# Altium PCB BreakOutBoard_Cyclone.PcbDoc (part 7 of 7)
Units mm, origin at the board's own origin, x right, y up, seen from the top; angles counter-clockwise.
Board outline 360 x 235.6 mm, 2 copper layers (Top Layer, Bottom Layer); 147 components, 203 nets, 2829 pads, 104 vias.
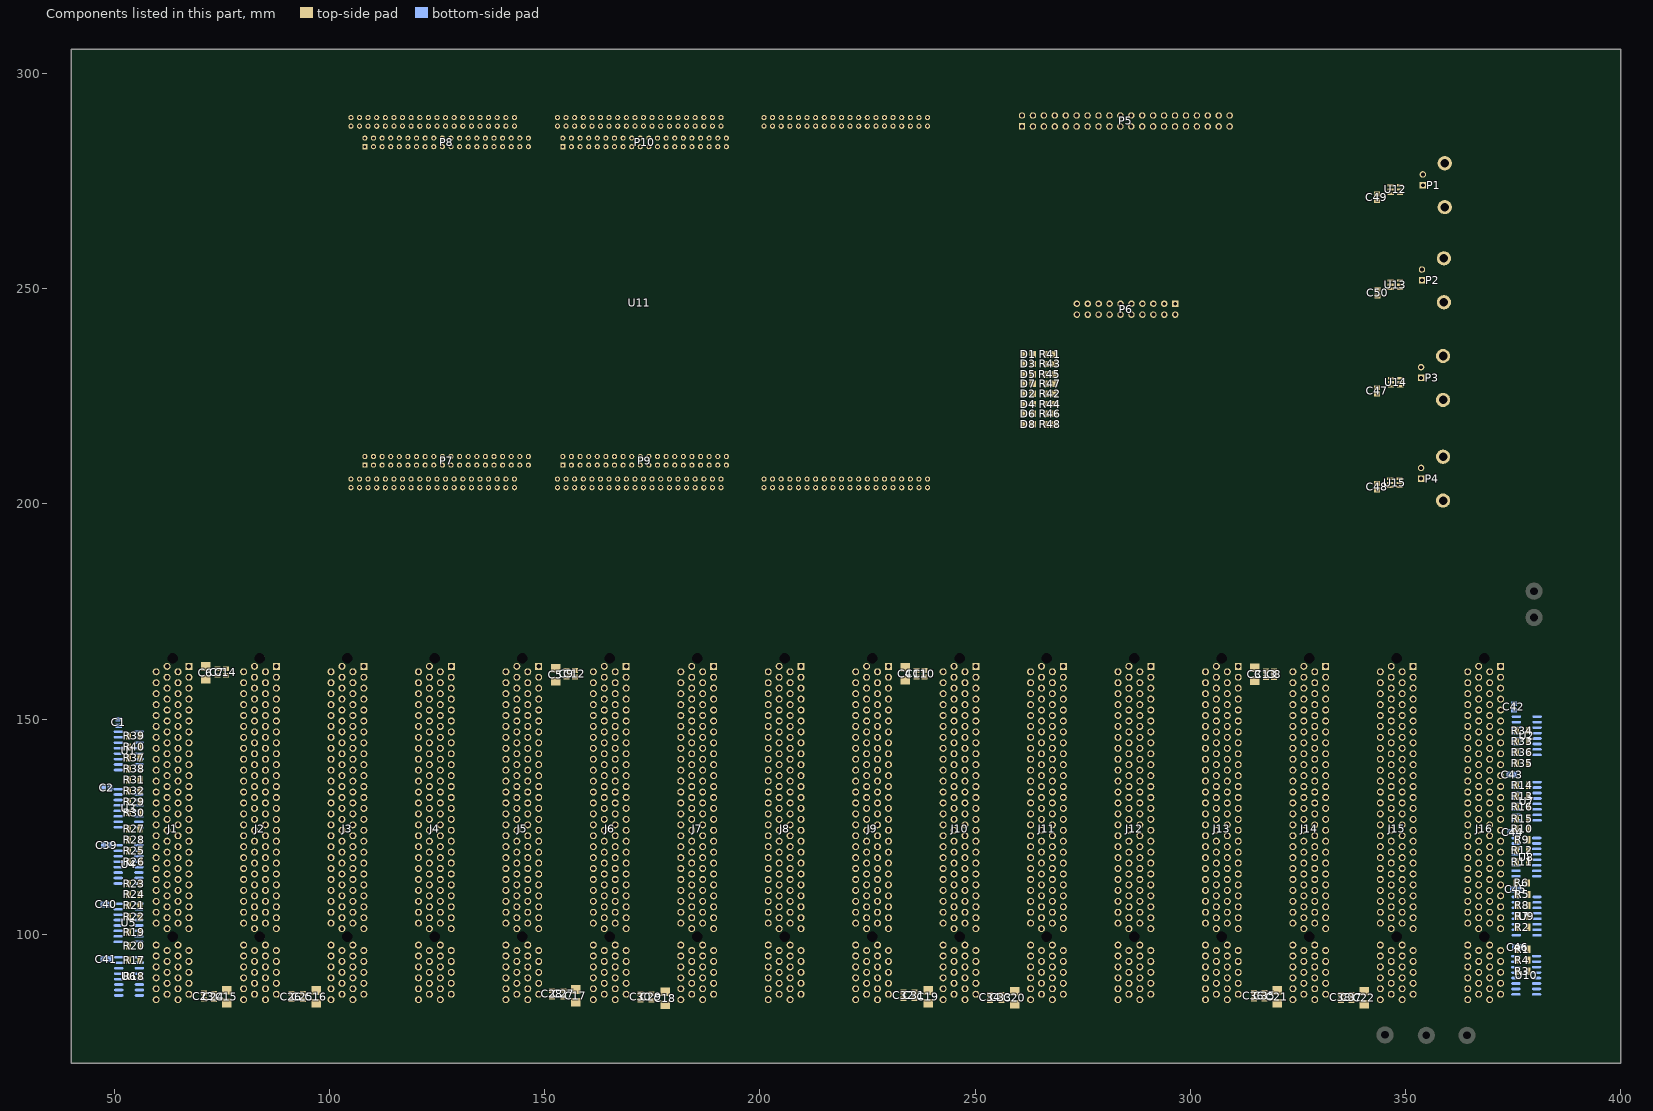
[diagram p7: the components of this part, seen from the top]

## Via types
v1: diameter 0.6, hole 0.3, Top Layer to Bottom Layer, 53 vias
v2: diameter 1.27, hole 0.711, Top Layer to Bottom Layer, 36 vias
v3: diameter 5.5, hole 4.5, Top Layer to Bottom Layer, 15 vias

## Nets (pads, with @x,y where several pads share a name; then routed paths per layer and width w, separated by ;. In a path a pad name is that pad's centre, name@x,y a point inside that pad or via, vN(x,y) a via of type N, cw(c..) or ccw(c..) an arc to the next point about the centre after c; other vN are vias at no path point) (continued)
pads on no net: J1.121 J1.122 J2.121 J2.122 J3.121 J3.122 J4.121 J4.122 J5.121 J5.122 J6.121 J6.122 J7.121 J7.122 J8.121 J8.122 J9.121 J9.122 J10.121 J10.122 J11.121 J11.122 J12.121 J12.122 J13.121 J13.122 J14.121 J14.122 J15.121 J15.122 J16.121 J16.122 P5.38 P5.39 P7.3 P7.5 P7.7 P7.8 P7.9 P7.10 P7.11 P7.12 P7.21 P7.22 P7.23 P7.24 P7.35 P7.37 P7.38 P7.39 P7.40 P8.1 P8.3 P8.4 P8.5 P8.6 P8.7 P8.8 P8.9 P8.10 P8.11 P8.12 P8.13 P8.15 P8.16 P8.17 P8.18 P8.36 P8.39 P8.40 P9.15 P9.27 P9.28 P9.29 P9.30 P9.31 P9.33 P9.35 P9.39 P10.16 P10.37 P10.39 U11.1A3 U11.1A4 U11.1A5 U11.1A6 U11.1A7 U11.1A8 U11.1A9 U11.1A10 U11.1A12 U11.1A13 U11.1A14 U11.1A15 U11.1A16 U11.1A17 U11.1A18 U11.1A19 U11.1A21 U11.1A22 U11.1A24 U11.1A25 U11.1A26 U11.1A27 U11.1A36 U11.1A38 U11.1A39 U11.1A40 U11.1B1 U11.1B32 U11.1B33 U11.1B34 U11.1B35 U11.1B36 U11.1B37 U11.1B38 U11.1B40 U11.1C3 U11.1C12 U11.1C13 U11.1C14 U11.1C15 U11.1C17 U11.1C19 U11.1C21 U11.1C22 U11.1C23 U11.1C24 U11.1C25 U11.1C26 U11.1C27 U11.1C28 U11.1C29 U11.1C30 U11.1C31 U11.1C32 U11.1C33 U11.1C34 U11.1C35 U11.1C36 U11.1C37 U11.1C38 U11.1C40 U11.2A1 U11.2A3 U11.2A4 U11.2A5 U11.2A6 U11.2A7 U11.2A8 U11.2A9 U11.2A10 U11.2A11 U11.2A12 U11.2A13 U11.2A14 U11.2A15 U11.2A16 U11.2A17 U11.2A18 U11.2A19 U11.2A20 U11.2A21 U11.2A22 U11.2A23 U11.2A24 U11.2A25 U11.2A26 U11.2A27 U11.2A28 U11.2A29 U11.2A30 U11.2A31 U11.2A32 U11.2A33 U11.2A34 U11.2A35 U11.2A36 U11.2A37 U11.2A38 U11.2A40 U11.2B1 U11.2B40 U11.2C1 U11.2C21 U11.2C22 U11.2C23 U11.2C24 U11.2C25 U11.2C26 U11.2C27 U11.2C28 U11.2C29 U11.2C30 U11.2C31 U11.2C32 U11.2C33 U11.2C34 U11.2C35 U11.2C36 U11.2C37 U11.2C38 U11.2C40
copper on no net:
  other v1: 375.3,156.7

## Polygon pours and split planes (outlines as drawn)
5V_ANA_BUS on Bottom Layer "top_ground" (solid, pour order 1001): 369.65,87.3 59.65,87.3 59.7,87.25 59.7,79 350.05,79 350.1,79.05 350.1,74.25 359.1,74.25 359.2,74.35 359.2,79.1 369.5,79.1 369.6,79.2
AGND on Bottom Layer "bottom_ground" (solid, remove dead copper, pour order 1003): 388,74.6 388,301.6 42.8,301.6 42.85,74.6
5V_DIG_BUS on Top Layer "top_5v_dig" (solid, pour order 1000): 382.45,176.3 382.45,165.9 382.45,165.75 378.9,162.2 62.15,162.2 61.45,162.2 59.5,164.15 59.5,170.6 359.55,170.6 365.45,176.5 382.15,176.5
AGND on Top Layer "top_ground" (solid, remove dead copper, pour order 1004): 388,74.6 388,301.6 42.8,301.6 42.85,74.6
8V_BUS on Top Layer "top_ground" (solid, pour order 1002): 369.6,84.75 59.7,84.75 59.7,79.1 338.85,79.1 338.85,74.35 338.9,74.3 344.475,74.3 350.05,74.3 350.05,79.05 350.1,79.1 369.6,79.1

## Keep-outs
Keep-Out Layer:
  lines w0.3: 41.58,72.4 389.48,72.4 389.48,304 41.58,304 41.58,72.4

## Silkscreen, mask and mechanical layers (free items; w line width, h text height)
Top Overlay:
  text "GND" at 377.05,178.65 h1 r90
  text "5V dig" at 377.05,170.75 h1 r90
  text "8V ana" at 342.8,72.95 h1
  text "5V ana" at 352.45,72.9 h1
  text "GND" at 362.9,72.8 h1
Drill Drawing:
  text ".LEGEND" at 398.78,162.56 h1.52
  text "Drill Drawing." at 398.78,160.02 h1.52

## Dimensions
41.58,72.4 to 389.48,72.4 on Mechanical 1
41.58,72.4 to 41.58,304 on Mechanical 1

## Text inside footprints (layer, text, board x,y; h text height)
J1: Top Overlay "61" at 56.265,163.493 h1.5 r270; Top Overlay "1" at 69.235,162.492 h1.5 r270; Top Overlay "60" at 69.235,86.023 h1.5 r270; Top Overlay "120" at 56.265,86.272 h1.5 r270
J2: Top Overlay "61" at 76.585,163.493 h1.5 r270; Top Overlay "1" at 89.555,162.492 h1.5 r270; Top Overlay "60" at 89.555,86.023 h1.5 r270; Top Overlay "120" at 76.585,86.272 h1.5 r270
J3: Top Overlay "61" at 96.905,163.493 h1.5 r270; Top Overlay "1" at 109.875,162.492 h1.5 r270; Top Overlay "60" at 109.875,86.023 h1.5 r270; Top Overlay "120" at 96.905,86.272 h1.5 r270
J4: Top Overlay "61" at 117.225,163.493 h1.5 r270; Top Overlay "1" at 130.195,162.492 h1.5 r270; Top Overlay "60" at 130.195,86.023 h1.5 r270; Top Overlay "120" at 117.225,86.272 h1.5 r270
J5: Top Overlay "61" at 137.545,163.493 h1.5 r270; Top Overlay "1" at 150.515,162.492 h1.5 r270; Top Overlay "60" at 150.515,86.023 h1.5 r270; Top Overlay "120" at 137.545,86.272 h1.5 r270
J6: Top Overlay "61" at 157.865,163.493 h1.5 r270; Top Overlay "1" at 170.835,162.492 h1.5 r270; Top Overlay "60" at 170.835,86.023 h1.5 r270; Top Overlay "120" at 157.865,86.272 h1.5 r270
J7: Top Overlay "61" at 178.185,163.493 h1.5 r270; Top Overlay "1" at 191.155,162.492 h1.5 r270; Top Overlay "60" at 191.155,86.023 h1.5 r270; Top Overlay "120" at 178.185,86.272 h1.5 r270
J8: Top Overlay "61" at 198.505,163.493 h1.5 r270; Top Overlay "1" at 211.475,162.492 h1.5 r270; Top Overlay "60" at 211.475,86.023 h1.5 r270; Top Overlay "120" at 198.505,86.272 h1.5 r270
J9: Top Overlay "61" at 218.825,163.493 h1.5 r270; Top Overlay "1" at 231.795,162.492 h1.5 r270; Top Overlay "60" at 231.795,86.023 h1.5 r270; Top Overlay "120" at 218.825,86.272 h1.5 r270
J10: Top Overlay "61" at 239.145,163.493 h1.5 r270; Top Overlay "1" at 252.115,162.492 h1.5 r270; Top Overlay "60" at 252.115,86.023 h1.5 r270; Top Overlay "120" at 239.145,86.272 h1.5 r270
J11: Top Overlay "61" at 259.465,163.493 h1.5 r270; Top Overlay "1" at 272.435,162.492 h1.5 r270; Top Overlay "60" at 272.435,86.023 h1.5 r270; Top Overlay "120" at 259.465,86.272 h1.5 r270
J12: Top Overlay "61" at 279.785,163.493 h1.5 r270; Top Overlay "1" at 292.755,162.492 h1.5 r270; Top Overlay "60" at 292.755,86.023 h1.5 r270; Top Overlay "120" at 279.785,86.272 h1.5 r270
J13: Top Overlay "61" at 300.105,163.493 h1.5 r270; Top Overlay "1" at 313.075,162.492 h1.5 r270; Top Overlay "60" at 313.075,86.023 h1.5 r270; Top Overlay "120" at 300.105,86.272 h1.5 r270
J14: Top Overlay "61" at 320.425,163.493 h1.5 r270; Top Overlay "1" at 333.395,162.492 h1.5 r270; Top Overlay "60" at 333.395,86.023 h1.5 r270; Top Overlay "120" at 320.425,86.272 h1.5 r270
J15: Top Overlay "61" at 340.745,163.493 h1.5 r270; Top Overlay "1" at 353.715,162.492 h1.5 r270; Top Overlay "60" at 353.715,86.023 h1.5 r270; Top Overlay "120" at 340.745,86.272 h1.5 r270
J16: Top Overlay "61" at 361.065,163.493 h1.5 r270; Top Overlay "1" at 374.035,162.492 h1.5 r270; Top Overlay "60" at 374.035,86.023 h1.5 r270; Top Overlay "120" at 361.065,86.272 h1.5 r270
P5: Top Overlay "39" at 311.192,287.192 h1.27; Top Overlay "40" at 311.192,289.732 h1.27; Top Overlay "2" at 258.36,289.732 h1.27; Top Overlay "1" at 258.36,287.192 h1.27
P6: Top Overlay "2" at 299.04,244.468 h1.27 r180; Top Overlay "1" at 299.04,247.008 h1.27 r180; Top Overlay "19" at 272.116,247.008 h1.27 r180; Top Overlay "20" at 272.116,244.468 h1.27 r180
U11: Top Overlay "Power-In" at 108.95,269.75 h1.52 r180